# KiCad board rgbwstrip120_250_panel.kicad_pcb (continued)
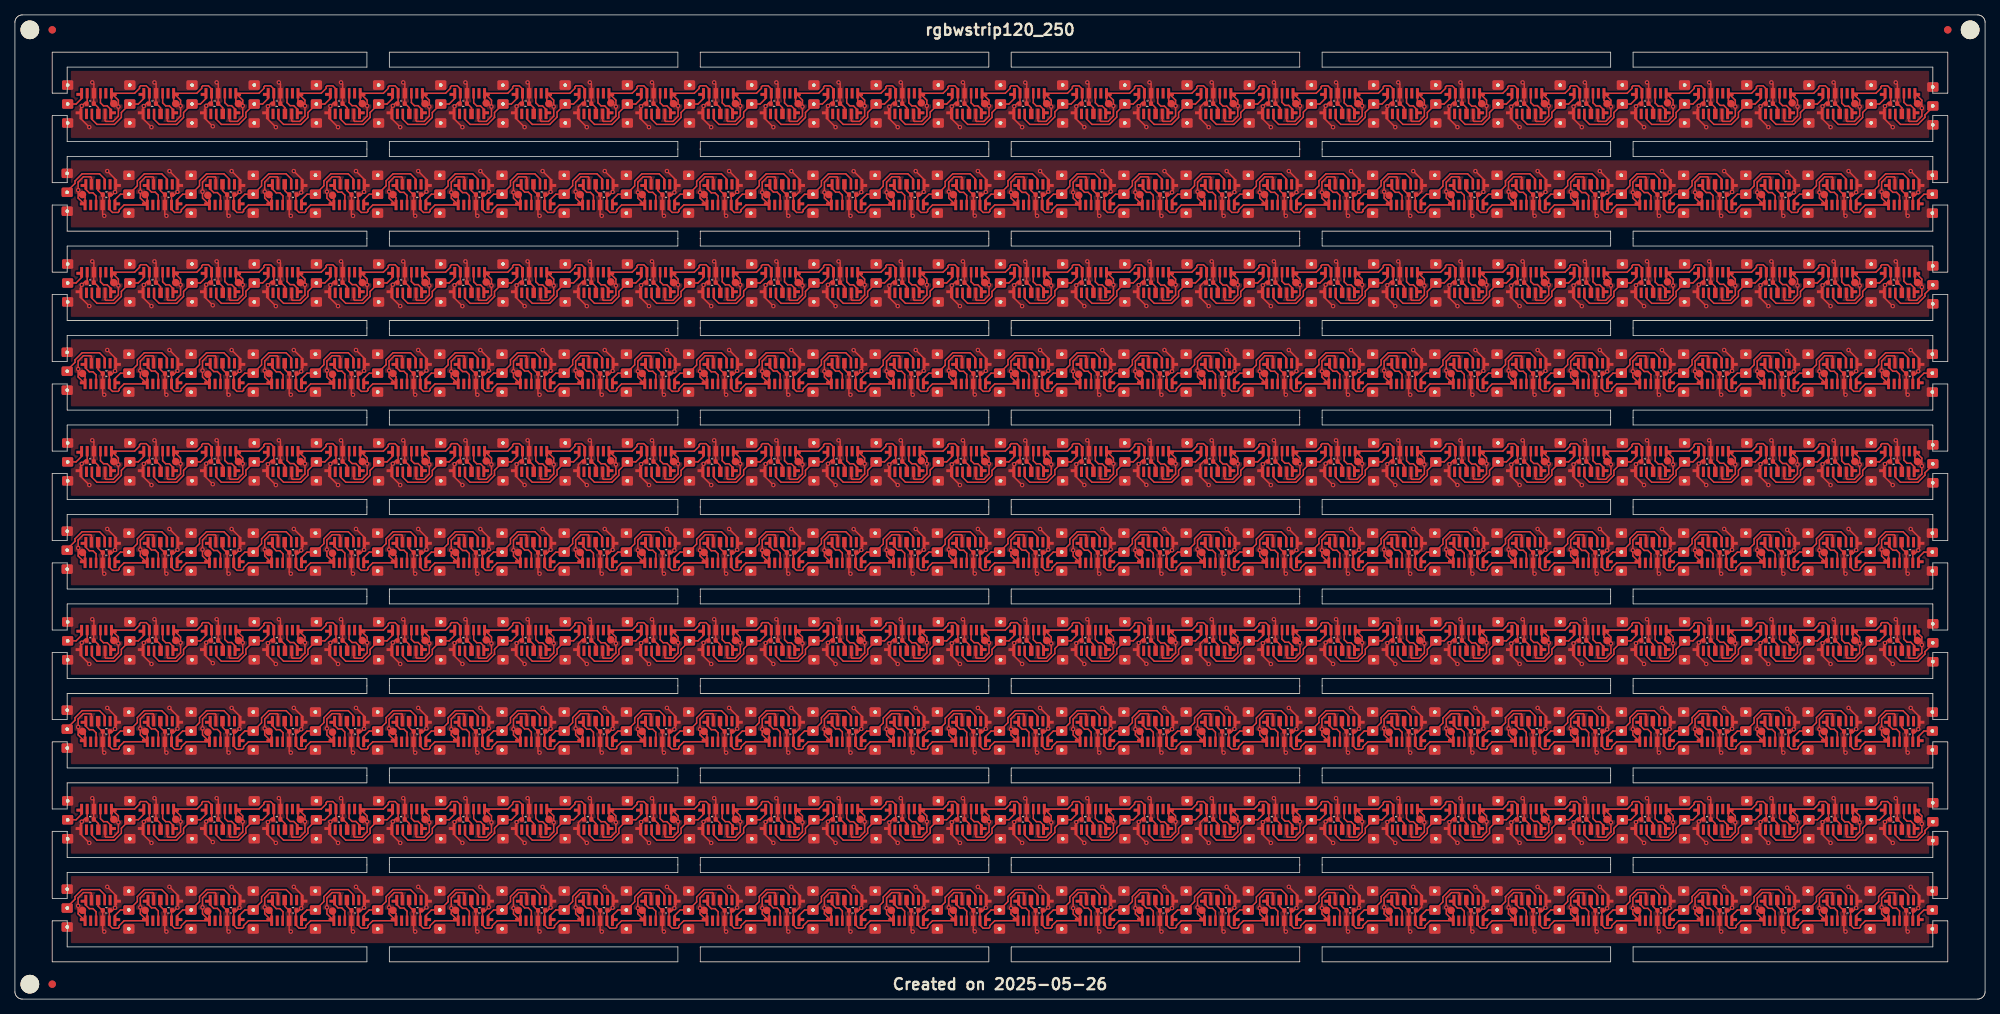
[diagram p0: board, top side]
## Routing (per net, layer and track width the routed paths; a pad name or vN(x,y) marks a point on that pad's centre or on a via; arc(x,y) is an arc through that point) (continued)
Board_0-Net-(J14-Pin_2): length 10.4
  Top w0.2: U28#4.6 117.27,120.79 116.53,120.05 115.5,120.05 ; 110.31,118.72 110.31,118 110.99,117.32 113.33,117.32 113.33,117.32 114.26,118.25 114.26,118.91 J14#5.2
Board_0-Net-(J15-Pin_2): length 10.4
  Top w0.2: J15#6.2 122.65,118.97 122.65,118.3 121.66,117.32 119.33,117.32 118.65,118 118.65,118.72 ; U30#3.6 125.6,120.79 124.86,120.05 123.83,120.05
Board_0-Net-(J16-Pin_2): length 10.4
  Top w0.2: 126.98,118.72 126.98,118 127.66,117.32 130,117.32 130.93,118.25 130.93,118.91 J16#5.2 ; U32#5.6 133.93,120.79 133.19,120.05 132.16,120.05
Board_0-Net-(J17-Pin_2): length 10.4
  Top w0.2: 135.31,118.72 135.31,118 135.99,117.32 138.33,117.32 139.35,118.33 139.35,119 J17#5.2 ; U34#5.6 142.27,120.79 141.53,120.05 140.5,120.05
Board_0-Net-(J18-Pin_2): length 10.4
  Top w0.2: 143.65,118.72 143.65,118 144.33,117.32 146.66,117.32 147.65,118.3 147.65,118.97 J18#10.2 ; 148.83,120.05 149.86,120.05 150.6,120.79 U36.6
Board_0-Net-(J19-Pin_2): length 10.4
  Top w0.2: J19.2 155.93,118.91 155.93,118.25 155,117.32 152.66,117.32 151.98,118 151.98,118.72 ; 157.16,120.05 158.19,120.05 158.93,120.79 U38#4.6
Board_0-Net-(J20-Pin_2): length 10.4
  Top w0.2: 165.5,120.05 166.53,120.05 167.27,120.79 U40#7.6 ; 160.31,118.72 160.31,118 160.99,117.32 163.33,117.32 164.26,118.25 164.26,118.91 J20#5.2
Board_0-Net-(J21-Pin_2): length 10.4
  Top w0.2: 173.83,120.05 174.86,120.05 175.6,120.79 U42#6.6 ; J21#5.2 172.65,118.97 172.65,118.3 171.66,117.32 169.33,117.32 168.65,118 168.65,118.72
Board_0-Net-(J22-Pin_2): length 10.4
  Top w0.2: 182.16,120.05 183.19,120.05 183.93,120.79 U44#9.6 ; J22#9.2 180.95,118.93 180.95,118.27 180,117.32 177.66,117.32 176.98,118 176.98,118.72
Board_0-Net-(J23-Pin_2): length 10.4
  Top w0.2: U46.6 192.27,120.79 191.53,120.05 190.5,120.05 ; 185.31,118.72 185.31,118 185.99,117.32 188.33,117.32 189.26,118.25 189.26,118.91 J23#9.2
Board_0-Net-(J24-Pin_2): length 10.4
  Top w0.2: 193.65,118.72 193.65,118 194.33,117.32 196.66,117.32 197.6,118.25 197.6,118.91 J24#2.2 ; 198.83,120.05 199.86,120.05 200.6,120.79 U48#10.6
Board_0-Net-(J25-Pin_2): length 10.4
  Top w0.2: 201.98,118.72 201.98,118 202.66,117.32 205,117.32 205.95,118.27 205.95,118.93 J25#5.2 ; U50.6 208.93,120.79 208.19,120.05 207.16,120.05
Board_0-Net-(J26-Pin_2): length 10.4
  Top w0.2: 210.31,118.72 210.31,118 210.99,117.32 213.33,117.32 214.26,118.25 214.26,118.91 J26#8.2 ; 215.5,120.05 216.53,120.05 217.27,120.79 U52#7.6
Board_0-Net-(J27-Pin_2): length 10.4
  Top w0.2: J27#10.2 222.6,118.91 222.6,118.25 221.66,117.32 219.33,117.32 218.65,118 218.65,118.72 ; 223.83,120.05 224.86,120.05 225.6,120.79 U54#4.6
Board_0-Net-(J28-Pin_2): length 10.4
  Top w0.2: 232.16,120.05 233.19,120.05 233.93,120.79 U56#4.6 ; 226.98,118.72 226.98,118 227.66,117.32 230,117.32 230.95,118.27 230.95,118.93 J28#8.2
Board_0-Net-(J29-Pin_2): length 10.4
  Top w0.2: U58#7.6 242.27,120.79 241.53,120.05 240.5,120.05 ; 235.31,118.72 235.31,118 235.99,117.32 238.33,117.32 239.26,118.25 239.26,118.91 J29#4.2
Board_0-Net-(J30-Pin_2): length 10.4
  Top w0.2: U60#8.6 250.6,120.79 249.86,120.05 248.83,120.05 ; 243.65,118.72 243.65,118 244.33,117.32 246.66,117.32 247.6,118.25 247.6,118.91 J30#6.2
Board_0-Net-(J31-Pin_2): length 7.2
  Top w0.2: 256.6,119.79 256.6,119.25 255.95,118.6 255.95,118.27 255,117.32 252.66,117.32 251.98,118 251.98,118.72
Board_0-Net-(U1-DIN): length 3.5
  Top w0.2: 11.46,120.92 11.46,120.21 11.87,119.8 12.37,119.8 12.83,119.33 12.83,118.27
Board_0-Net-(U3-DIN): length 3.5
  Top w0.2: 19.79,120.92 19.79,120.21 20.2,119.8 20.7,119.8 21.17,119.33 21.17,118.27
Board_0-Net-(U5-DIN): length 3.5
  Top w0.2: 29.5,118.3 29.5,119.36 29.03,119.83 28.53,119.83 28.12,120.24 28.12,120.95
Board_0-Net-(U7-DIN): length 3.5
  Top w0.2: 36.46,120.95 36.46,120.24 36.87,119.83 37.37,119.83 37.83,119.36 37.83,118.3
Board_0-Net-(U10-DOUT): length 3.5
  Top w0.2: 44.77,120.95 44.77,120.24 45.18,119.83 45.68,119.83 46.15,119.36 46.15,118.3
Board_0-Net-(U11-DIN): length 3.5
  Top w0.2: 53.12,120.95 53.12,120.24 53.53,119.83 54.03,119.83 54.5,119.36 54.5,118.3
Board_0-Net-(U13-DIN): length 3.5
  Top w0.2: 61.47,120.92 61.47,120.21 61.88,119.8 62.38,119.8 62.85,119.33 62.85,118.27
Board_0-Net-(U15-DIN): length 3.5
  Top w0.2: 71.17,118.27 71.17,119.33 70.7,119.8 70.2,119.8 69.79,120.21 69.79,120.92
Board_0-Net-(U17-DIN): length 3.5
  Top w0.2: 78.12,120.92 78.12,120.21 78.53,119.8 79.03,119.8 79.5,119.33 79.5,118.27
Board_0-Net-(U19-DIN): length 3.5
  Top w0.2: 86.46,120.92 86.46,120.21 86.87,119.8 87.37,119.8 87.83,119.33 87.83,118.27
Board_0-Net-(U21-DIN): length 3.5
  Top w0.2: 94.78,120.92 94.78,120.21 95.18,119.8 95.68,119.8 96.15,119.33 96.15,118.27
Board_0-Net-(U23-DIN): length 3.5
  Top w0.2: 104.5,118.27 104.5,119.33 104.03,119.8 103.53,119.8 103.12,120.21 103.12,120.92
Board_0-Net-(U25-DIN): length 3.5
  Top w0.2: 112.83,118.27 112.83,119.33 112.37,119.8 111.87,119.8 111.46,120.21 111.46,120.92
Board_0-Net-(U27-DIN): length 3.5
  Top w0.2: 121.15,118.27 121.15,119.33 120.68,119.8 120.18,119.8 119.78,120.21 119.78,120.92
Board_0-Net-(U29-DIN): length 3.5
  Top w0.2: 129.5,118.27 129.5,119.33 129.03,119.8 128.53,119.8 128.12,120.21 128.12,120.92
Board_0-Net-(U31-DIN): length 3.5
  Top w0.2: 137.83,118.27 137.83,119.33 137.37,119.8 136.87,119.8 136.46,120.21 136.46,120.92
Board_0-Net-(U33-DIN): length 3.5
  Top w0.2: 144.78,120.92 144.78,120.21 145.18,119.8 145.68,119.8 146.15,119.33 146.15,118.27
Board_0-Net-(U35-DIN): length 3.5
  Top w0.2: 153.12,120.89 153.12,120.18 153.53,119.77 154.03,119.77 154.5,119.3 154.5,118.24
Board_0-Net-(U37-DIN): length 3.5
  Top w0.2: 161.46,120.89 161.46,120.18 161.87,119.77 162.37,119.77 162.83,119.3 162.83,118.24
Board_0-Net-(U39-DIN): length 3.5
  Top w0.2: 169.78,120.99 169.78,120.28 170.18,119.87 170.68,119.87 171.15,119.4 171.15,118.34
Board_0-Net-(U41-DIN): length 3.5
  Top w0.2: 179.5,118.27 179.5,119.33 179.03,119.8 178.53,119.8 178.12,120.21 178.12,120.92
Board_0-Net-(U43-DIN): length 3.5
  Top w0.2: 186.47,120.92 186.47,120.21 186.88,119.8 187.38,119.8 187.85,119.33 187.85,118.27
Board_0-Net-(U45-DIN): length 3.5
  Top w0.2: 196.17,118.24 196.17,119.3 195.7,119.77 195.2,119.77 194.79,120.18 194.79,120.89
Board_0-Net-(U47-DIN): length 3.5
  Top w0.2: 203.11,120.96 203.11,120.24 203.52,119.83 204.02,119.83 204.48,119.37 204.48,118.31
Board_0-Net-(U49-DIN): length 3.5
  Top w0.2: 211.46,120.92 211.46,120.21 211.87,119.8 212.37,119.8 212.83,119.33 212.83,118.27
Board_0-Net-(U51-DIN): length 3.5
  Top w0.2: 219.79,120.89 219.79,120.18 220.2,119.77 220.7,119.77 221.17,119.3 221.17,118.24
Board_0-Net-(U53-DIN): length 3.5
  Top w0.2: 228.07,120.99 228.07,120.28 228.48,119.87 228.98,119.87 229.45,119.4 229.45,118.34
Board_0-Net-(U55-DIN): length 3.5
  Top w0.2: 236.46,120.96 236.46,120.24 236.87,119.83 237.37,119.83 237.83,119.37 237.83,118.31
Board_0-Net-(U57-DIN): length 3.5
  Top w0.2: 244.79,120.89 244.79,120.18 245.2,119.77 245.7,119.77 246.17,119.3 246.17,118.24
Board_0-Net-(U59-DIN): length 3.5
  Top w0.2: 253.12,120.99 253.12,120.28 253.53,119.87 254.03,119.87 254.5,119.4 254.5,118.34
Board_1-+3.3V: length 592.6
  Top w0.2: U54#8.1 31.29,106.51 30.64,105.85 30.64,105.65 30.49,105.5 29.74,105.5 29.32,105.93 U56.5 29.32,107.75 29.4,107.83 29.68,107.83 v1(30.1,108.25) 30.17,108.32 30.17,109.16 ; U54#8.1 34.4,107.55 K24#8.1 ; U54#8.1 33.47,107.44 v1(33.47,108.3) 33.47,109.58 34.17,110.28 35.14,110.28 35.25,110.18 U53#2.5 ; 242.45,106.79 U4#6.1 ; U4#6.1 241.8,107.44 v1(241.8,108.2) 241.8,109.58 242.51,110.28 243.48,110.28 243.58,110.18 U3#10.5 ; U4#6.1 239.63,106.51 238.97,105.85 238.97,105.65 238.82,105.5 238.07,105.5 237.65,105.93 U6#6.5 237.65,107.75 237.73,107.83 238.01,107.83 v1(238.36,108.19) 238.5,108.32 238.5,109.16 ; U4#6.1 242.73,107.62 K6#9.1 ; U30#9.1 134.4,107.55 K18#2.1 ; U30#9.1 133.47,107.44 v1(133.47,108.2) 133.47,109.58 134.17,110.28 135.14,110.28 135.25,110.18 U29#8.5 ; U30#9.1 131.29,106.51 130.64,105.85 130.64,105.65 130.49,105.5 129.74,105.5 129.32,105.93 U32.5 129.32,107.75 129.4,107.83 129.68,107.83 v1(130.1,108.25) 130.17,108.32 130.17,109.16 ; U42#4.1 83.47,107.44 v1(83.47,108.2) 83.47,109.58 84.17,110.28 85.14,110.28 85.25,110.18 U41#10.5 ; U42#4.1 81.29,106.51 80.64,105.85 80.64,105.65 80.49,105.5 79.74,105.5 79.32,105.93 U44#7.5 79.32,107.75 79.4,107.83 79.68,107.83 v1(80.1,108.25) 80.17,108.32 80.17,109.16 ; U42#4.1 84.4,107.55 K10#6.1 ; 155.17,109.16 155.17,108.32 v1(155.05,108.2) 154.68,107.83 154.4,107.83 154.32,107.75 U26#6.5 154.32,105.93 154.74,105.5 155.49,105.5 155.64,105.65 155.64,105.85 156.29,106.51 U24#5.1 ; 105.17,109.16 105.17,108.32 104.68,107.83 104.4,107.83 104.32,107.75 U38#9.5 104.32,105.93 104.74,105.5 105.49,105.5 105.64,105.65 105.64,105.85 106.29,106.51 U36#5.1 ; U5.1 238.5,109.92 v1(237.49,110.94) 237.37,111.05 ; v1(187.37,111.05) 188.5,109.92 U17#10.1 ; 88.5,109.16 88.5,108.32 v1(88.36,108.19) 88.01,107.83 87.73,107.83 87.65,107.75 U42#4.5 87.65,105.93 88.07,105.5 88.82,105.5 88.97,105.65 88.97,105.85 89.63,106.51 U40#3.1 ; U6#6.1 234.4,107.55 K26#5.1 ; U6#6.1 233.47,107.44 v1(233.47,108.2) 233.47,109.58 234.17,110.28 235.14,110.28 235.25,110.18 U5.5 ; U6#6.1 231.29,106.51 230.64,105.85 230.64,105.65 230.49,105.5 229.74,105.5 229.32,105.93 U8#8.5 229.32,107.75 229.4,107.83 229.68,107.83 v1(230.1,108.25) 230.17,108.32 230.17,109.16 ; U27#9.1 146.83,109.92 v1(145.7,111.05) ; 42.59,106.57 42.65,106.51 ; U35#10.1 113.5,109.92 v1(112.39,111.04) 112.37,111.05 ; U32.1 126.07,107.58 K8#6.1 ; U32.1 125.14,107.44 v1(125.14,108.3) 125.14,109.58 125.84,110.28 126.81,110.28 126.92,110.18 U31#3.5 ; U32.1 122.96,106.51 122.3,105.85 122.3,105.65 122.15,105.5 121.41,105.5 120.98,105.93 U34#2.5 120.98,107.75 121.06,107.83 121.34,107.83 v1(121.78,108.27) 121.83,108.32 121.83,109.16 ; K22#4.1 167.73,107.62 U22#10.1 ; U34#2.1 116.8,107.44 v1(116.8,108.2) 116.8,109.58 117.51,110.28 118.48,110.28 118.58,110.18 U33#9.5 ; U34#2.1 117.73,107.62 K4#7.1 ; U34#2.1 114.63,106.51 113.97,105.85 113.97,105.65 113.82,105.5 113.07,105.5 112.65,105.93 U36#5.5 112.65,107.75 112.73,107.83 113.01,107.83 v1(113.41,108.24) 113.5,108.32 113.5,109.16 ; v1(154.04,111.05) 155.17,109.92 U25#4.1 ; U7#10.1 230.17,109.92 v1(229.04,111.05) ; U52#2.1 42.73,107.62 K19#9.1 ; U52#2.1 39.63,106.51 38.97,105.85 38.97,105.65 38.82,105.5 38.07,105.5 37.65,105.93 U54#8.5 37.65,107.75 37.73,107.83 38.01,107.83 v1(38.36,108.19) 38.5,108.32 38.5,109.16 ; U52#2.1 41.8,107.44 v1(41.8,108.3) 41.8,109.58 42.51,110.28 43.48,110.28 43.58,110.18 U51#10.5 ; U16#8.1 189.63,106.51 188.97,105.85 188.97,105.65 188.82,105.5 188.07,105.5 187.65,105.93 U18#10.5 187.65,107.75 187.73,107.83 188.01,107.83 188.5,108.32 188.5,109.16 ; U16#8.1 191.8,107.44 v1(191.8,108.3) 191.8,109.58 192.51,110.28 193.48,110.28 193.58,110.18 U15#5.5 ; U16#8.1 192.73,107.62 K2#2.1 ; U59#7.1 13.5,109.92 v1(12.37,111.05) ; K17#8.1 159.4,107.55 U24#5.1 ; U35#10.5 110.25,110.18 110.14,110.28 109.17,110.28 108.47,109.58 v1(108.47,108.2) 108.47,107.44 U36#5.1 ; U8#8.1 226.07,107.58 K21#6.1 ; U8#8.1 225.14,107.44 v1(225.14,108.2) 225.14,109.58 225.84,110.28 226.81,110.28 226.92,110.18 U7#10.5 ; U8#8.1 225.75,106.83 ; U8#8.1 222.96,106.51 222.3,105.85 222.3,105.65 222.15,105.5 221.41,105.5 220.98,105.93 U10#9.5 220.98,107.75 221.06,107.83 221.34,107.83 v1(221.73,108.22) 221.83,108.32 221.83,109.16 ; U33#9.1 121.83,109.92 v1(120.7,111.05) ; U14#3.1 201.07,107.62 K27#2.1 200.62,107.83 v1(200.15,108.3) ; U14#3.1 200.14,107.44 v1(200.15,108.3) ; U14#3.1 197.96,106.51 197.3,105.85 197.3,105.65 197.15,105.5 196.41,105.5 195.98,105.93 U16#8.5 195.98,107.75 196.06,107.83 196.34,107.83 v1(196.78,108.27) 196.83,108.32 196.83,109.16 ; U12#5.1 209.4,107.55 K11#7.1 ; U12#5.1 206.29,106.51 205.64,105.85 205.64,105.65 205.49,105.5 204.74,105.5 204.32,105.93 U14#3.5 204.32,107.75 204.4,107.83 204.68,107.83 v1(205.1,108.25) 205.17,108.32 205.17,109.16 ; U12#5.1 208.47,107.44 v1(208.47,108.3) 208.47,109.58 209.17,110.28 210.14,110.28 210.25,110.18 U11#8.5 ; v1(195.7,111.05) 196.83,109.92 U15#5.1 ; 254.32,105.93 U2#2.5 254.32,107.75 254.4,107.83 254.68,107.83 v1(255.05,108.2) 255.17,108.32 255.17,109.16 ; U24#5.1 158.47,107.44 v1(158.47,108.3) 158.47,109.58 159.17,110.28 160.14,110.28 160.25,110.18 U23#10.5 ; U18#10.1 181.29,106.51 180.64,105.85 180.64,105.65 180.49,105.5 179.74,105.5 179.32,105.93 U20#5.5 179.32,107.75 179.4,107.83 179.68,107.83 v1(180.1,108.25) 180.17,108.32 180.17,109.16 ; U18#10.1 184.4,107.55 K7#3.1 183.97,107.8 v1(183.47,108.3) ; U18#10.1 183.47,107.44 v1(183.47,108.3) ; 67.59,106.57 67.65,106.51 ; K12#7.1 176.07,107.58 U20#5.1 ; U26#6.1 151.07,107.58 K3#9.1 ; U26#6.1 150.14,107.44 v1(150.14,108.2) 150.14,109.58 150.84,110.28 151.81,110.28 151.92,110.18 U25#4.5 ; U26#6.1 147.96,106.51 147.3,105.85 147.3,105.65 147.15,105.5 146.41,105.5 145.98,105.93 U28#3.5 145.98,107.75 146.06,107.83 146.34,107.83 v1(146.83,108.32) 146.83,108.32 146.83,109.16 ; U17#10.5 185.25,110.18 185.14,110.28 184.17,110.28 183.47,109.58 v1(183.47,108.3) ; U57#4.1 21.83,109.92 v1(20.7,111.05) ; U47.1 63.5,109.92 v1(62.37,111.05) ; U36#5.1 109.4,107.55 K30#7.1 ; U2#2.1 247.96,106.51 247.3,105.85 247.3,105.65 247.15,105.5 246.41,105.5 245.98,105.93 U4#6.5 245.98,107.75 246.06,107.83 246.34,107.83 v1(246.73,108.22) 246.83,108.32 246.83,109.16 ; U2#2.1 250.75,106.82 ; U2#2.1 251.07,107.58 K1#4.1 ; U2#2.1 250.14,107.44 v1(250.14,108.3) 250.14,109.58 250.84,110.28 251.81,110.28 251.92,110.18 U1#6.5 ; U38#9.1 100.14,107.44 v1(100.14,108.2) 100.14,109.58 100.84,110.28 101.81,110.28 101.92,110.18 U37#5.5 ; U38#9.1 97.96,106.51 97.3,105.85 97.3,105.65 97.15,105.5 96.41,105.5 95.98,105.93 U40#3.5 95.98,107.75 96.06,107.83 96.34,107.83 v1(96.78,108.27) 96.83,108.32 96.83,109.16 ; U38#9.1 101.07,107.58 K5#6.1 ; 71.83,109.16 71.83,108.32 v1(71.78,108.27) 71.34,107.83 71.06,107.83 70.98,107.75 U46#5.5 70.98,105.93 71.41,105.5 72.15,105.5 72.3,105.65 72.3,105.85 72.96,106.51 U44#7.1 ; U48#6.1 59.4,107.55 K28.1 ; U48#6.1 58.47,107.44 v1(58.47,108.2) 58.47,109.58 59.17,110.28 60.14,110.28 60.25,110.18 U47.5 ; U48#6.1 56.29,106.51 55.64,105.85 55.64,105.65 55.49,105.5 54.74,105.5 54.32,105.93 U50#3.5 54.32,107.75 54.4,107.83 54.68,107.83 v1(55.15,108.3) 55.17,108.32 55.17,109.16 ; 192.59,106.57 192.65,106.51 ; U44#7.1 75.14,107.44 v1(75.14,108.3) 75.14,109.58 75.84,110.28 76.81,110.28 76.92,110.18 U43#9.5 ; U44#7.1 76.07,107.58 K14#2.1 ; v1(162.37,111.05) 163.5,109.92 U23#10.1 ; v1(87.37,111.05) 88.5,109.92 U41#10.1 ; U58#4.1 16.8,107.44 v1(16.8,108.3) 16.8,109.58 17.51,110.28 18.48,110.28 18.58,110.18 U57#4.5 ; U58#4.1 17.73,107.62 K25#6.1 ; U58#4.1 14.63,106.51 13.97,105.85 13.97,105.65 13.82,105.5 13.07,105.5 12.65,105.93 U60#5.5 12.65,107.75 12.73,107.83 13.01,107.83 v1(13.41,108.24) 13.5,108.32 13.5,109.16 ; U11#8.1 213.5,109.92 v1(212.37,111.05) ; 117.59,106.57 117.65,106.51 ; U20#5.1 175.14,107.44 v1(175.14,108.2) 175.14,109.58 175.84,110.28 176.81,110.28 176.92,110.18 U19#4.5 ; U20#5.1 172.96,106.51 172.3,105.85 172.3,105.65 172.15,105.5 171.41,105.5 170.98,105.93 U22#10.5 170.98,107.75 171.06,107.83 171.34,107.83 v1(171.73,108.22) 171.83,108.32 171.83,109.16 ; U13#2.5 201.92,110.18 201.81,110.28 200.84,110.28 200.14,109.58 v1(200.15,108.3) ; v1(29.04,111.05) 30.17,109.92 U55#5.1 ; U9#10.5 218.58,110.18 218.48,110.28 217.51,110.28 216.8,109.58 v1(216.8,108.2) 216.8,107.44 U10#9.1 ; 75.92,106.57 75.98,106.51 ; U22#10.1 164.63,106.51 163.97,105.85 163.97,105.65 163.82,105.5 163.07,105.5 162.65,105.93 U24#5.5 162.65,107.75 162.73,107.83 163.01,107.83 v1(163.41,108.24) 163.5,108.32 163.5,109.16 ; U22#10.1 166.8,107.44 v1(166.8,108.2) 166.8,109.58 167.51,110.28 168.48,110.28 168.58,110.18 U21#7.5 ; 167.59,106.57 167.65,106.51 ; v1(54.04,111.05) 55.17,109.92 U49#2.1 ; 250.92,106.57 250.98,106.51 ; v1(79.04,111.05) 80.17,109.92 U43#9.1 ; 100.92,106.57 100.98,106.51 ; v1(204.04,111.05) 205.17,109.92 U13#2.1 ; U21#7.1 171.83,109.92 v1(170.7,111.05) ; 125.92,106.57 125.98,106.51 ; 9.26,106.57 9.32,106.51 ; U40#3.1 91.8,107.44 v1(91.8,108.2) 91.8,109.58 92.51,110.28 93.48,110.28 93.58,110.18 U39#8.5 ; U40#3.1 92.73,107.52 K9#3.1 ; K23#7.1 67.73,107.62 U46#5.1 ; U50#3.1 50.14,107.44 v1(50.14,108.3) 50.14,109.58 50.84,110.28 51.81,110.28 51.92,110.18 U49#2.5 ; U50#3.1 51.07,107.48 K15#4.1 ; U50#3.1 47.96,106.51 47.3,105.85 47.3,105.65 47.15,105.5 46.41,105.5 45.98,105.93 U52#2.5 45.98,107.75 46.06,107.83 46.34,107.83 v1(46.78,108.27) 46.83,108.32 46.83,109.16 ; 109.26,106.57 109.32,106.51 ; 200.92,106.57 200.98,106.51 ; 184.26,106.57 184.32,106.51 ; U46#5.1 66.8,107.44 v1(66.8,108.2) 66.8,109.58 67.51,110.28 68.48,110.28 68.58,110.18 U45#8.5 ; U46#5.1 64.63,106.51 63.97,105.85 63.97,105.65 63.82,105.5 63.07,105.5 62.65,105.93 U48#6.5 62.65,107.75 62.73,107.83 63.01,107.83 v1(63.5,108.32) 63.5,109.16 ; 34.26,106.57 34.32,106.51 ; U59#7.5 10.25,110.18 10.14,110.28 9.17,110.28 8.47,109.58 v1(8.47,108.5) 8.47,107.44 U60#5.1 9.4,107.55 K29#2.1 ; U29#8.1 138.5,109.92 v1(137.37,111.05) ; U10#9.1 214.63,106.51 213.97,105.85 213.97,105.65 213.82,105.5 213.07,105.5 212.65,105.93 U12#5.5 212.65,107.75 212.73,107.83 213.01,107.83 v1(213.36,108.19) 213.5,108.32 213.5,109.16 ; U10#9.1 217.73,107.62 K16#4.1 ; U9#10.1 221.83,109.92 v1(220.7,111.05) ; U39#8.1 96.83,109.92 v1(95.7,111.05) ; U55#5.5 26.92,110.18 26.81,110.28 25.84,110.28 25.14,109.58 v1(25.14,108.3) 25.14,107.44 U56.1 ; v1(45.7,111.05) 46.83,109.92 U51#10.1 ; 84.26,106.57 84.32,106.51 ; 159.26,106.57 159.32,106.51 ; v1(245.7,111.05) 246.83,109.92 U3#10.1 ; 50.92,106.57 50.98,106.51 ; 142.59,106.57 142.65,106.51 ; U31#3.1 130.17,109.92 v1(129.04,111.05) ; U56.1 22.96,106.51 22.3,105.85 22.3,105.65 22.15,105.5 21.41,105.5 20.98,105.93 U58#4.5 20.98,107.75 21.06,107.83 21.34,107.83 v1(21.78,108.27) 21.83,108.32 21.83,109.16 ; U56.1 26.07,107.58 K20#6.1 ; U28#3.1 139.63,106.51 138.97,105.85 138.97,105.65 138.82,105.5 138.07,105.5 137.65,105.93 U30#9.5 137.65,107.75 137.73,107.83 138.01,107.83 v1(138.46,108.29) 138.5,108.32 138.5,109.16 ; U28#3.1 142.73,107.62 K13#5.1 ; U28#3.1 141.8,107.44 v1(141.8,108.2) 141.8,109.58 142.51,110.28 143.48,110.28 143.58,110.18 U27#9.5 ; 217.59,106.57 217.65,106.51 ; 234.26,106.57 234.32,106.51 ; v1(179.04,111.05) 180.17,109.92 U19#4.1 ; 59.26,106.57 59.32,106.51 ; U1#6.1 255.17,109.92 v1(254.04,111.05) ; v1(104.04,111.05) 105.17,109.92 U37#5.1 ; 242.59,106.57 242.65,106.51 ; 92.59,106.57 92.65,106.51 ; 25.92,106.57 25.98,106.51 ; 134.26,106.57 134.32,106.51 ; 175.92,106.57 175.98,106.51 ; U45#8.1 71.83,109.92 v1(70.7,111.05) ; 225.92,106.57 225.98,106.51 ; v1(37.37,111.05) 38.5,109.92 U53#2.1 ; 17.59,106.57 17.65,106.51 ; 150.92,106.57 150.98,106.51 ; 209.26,106.57 209.32,106.51
Board_1-GND: length 133.9
  Top w0.2: 69.48,109.16 69.48,108.45 70.1,107.83 70.1,106.53 U46#5.4 70.08,105.27 v1(70.3,105.05) ; v1(53.64,105.05) 53.42,105.27 U50#3.4 53.44,106.53 53.44,107.83 52.82,108.45 52.82,109.16 ; v1(120.3,105.05) 120.08,105.27 U34#2.4 120.1,106.53 120.1,107.83 119.48,108.45 119.48,109.16 ; v1(220.3,105.05) 220.08,105.27 U10#9.4 220.1,106.53 220.1,107.83 219.48,108.45 219.48,109.16 ; v1(136.97,105.05) 136.75,105.27 U30#9.4 136.77,106.53 136.77,107.83 136.15,108.45 136.15,109.16 ; 236.15,109.16 236.15,108.45 236.77,107.83 236.77,106.53 U6#6.4 236.75,105.27 v1(236.97,105.05) ; v1(211.97,105.05) 211.75,105.27 U12#5.4 211.77,106.53 211.77,107.83 211.15,108.45 211.15,109.16 ; v1(61.97,105.05) 61.75,105.27 U48#6.4 61.77,106.53 61.77,107.83 61.15,108.45 61.15,109.16 ; 169.48,109.16 169.48,108.45 170.1,107.83 170.1,106.53 U22#10.4 170.08,105.27 v1(170.3,105.05) ; v1(28.64,105.05) 28.42,105.27 U56.4 28.44,106.53 28.44,107.83 27.82,108.45 27.82,109.16 ; 102.82,109.16 102.82,108.45 103.44,107.83 103.44,106.53 U38#9.4 103.42,105.27 v1(103.64,105.05) ; 252.82,109.16 252.82,108.45 253.44,107.83 253.44,106.53 U2#2.4 253.42,105.27 v1(253.64,105.05) ; 127.82,109.16 127.82,108.45 128.44,107.83 128.44,106.53 U32.4 128.42,105.27 v1(128.62,105.07) 128.64,105.05 ; 94.48,109.16 94.48,108.45 95.1,107.83 95.1,106.53 U40#3.4 95.08,105.27 v1(95.3,105.05) ; 11.15,109.16 11.15,108.45 11.77,107.83 11.77,106.53 U60#5.4 11.75,105.27 v1(11.97,105.05) ; 20.3,105.05 v1(20.3,105.05) 20.08,105.27 U58#4.4 20.1,106.53 20.1,107.83 19.48,108.45 19.48,109.16 ; v1(153.64,105.05) 153.42,105.27 U26#6.4 153.44,106.53 153.44,107.83 152.82,108.45 152.82,109.16 ; v1(45.3,105.05) 45.08,105.27 U52#2.4 45.1,106.53 45.1,107.83 44.48,108.45 44.48,109.16 ; v1(203.64,105.05) 203.42,105.27 U14#3.4 203.44,106.53 203.44,107.83 202.82,108.45 202.82,109.16 ; v1(145.3,105.05) 145.08,105.27 U28#3.4 145.1,106.53 145.1,107.83 144.48,108.45 144.48,109.16 ; v1(161.97,105.05) 161.75,105.27 U24#5.4 161.77,106.53 161.77,107.83 161.15,108.45 161.15,109.16 ; 86.15,109.16 86.15,108.45 86.77,107.83 86.77,106.53 U42#4.4 86.75,105.27 v1(86.97,105.05) ; v1(36.97,105.05) 36.75,105.27 U54#8.4 36.77,106.53 36.77,107.83 36.15,108.45 36.15,109.16 ; 186.15,109.16 186.15,108.45 186.77,107.83 186.77,106.53 U18#10.4 186.75,105.27 v1(186.97,105.05) ; 227.82,109.16 227.82,108.45 228.44,107.83 228.44,106.53 U8#8.4 228.42,105.27 v1(228.64,105.05) ; v1(178.64,105.05) 178.42,105.27 U20#5.4 178.44,106.53 178.44,107.83 177.82,108.45 177.82,109.16 ; 77.82,109.16 77.82,108.45 78.44,107.83 78.44,106.53 U44#7.4 78.42,105.27 v1(78.64,105.05) ; 194.48,109.16 194.48,108.45 195.1,107.83 195.1,106.53 U16#8.4 195.08,105.27 v1(195.3,105.05) ; v1(111.97,105.05) 111.75,105.27 U36#5.4 111.77,106.53 111.77,107.83 111.15,108.45 111.15,109.16 ; 244.48,109.16 244.48,108.45 245.1,107.83 245.1,106.53 U4#6.4 245.08,105.27 v1(245.3,105.05)
Board_1-Net-(J1-Pin_2): length 2.8
  Top w0.2: U2#2.6 255.07,107.21 255.81,107.95 256.84,107.95
Board_1-Net-(J2-Pin_2): length 10.4
  Top w0.2: J2#9.2 249.74,109.09 249.74,109.75 250.67,110.68 253.01,110.68 253.69,110 253.69,109.28 ; U4#6.6 246.73,107.21 247.47,107.95 248.5,107.95
Board_1-Net-(J3-Pin_2): length 10.4
  Top w0.2: 245.35,109.28 245.35,110 244.67,110.68 242.34,110.68 241.4,109.75 241.4,109.09 J3#6.2 ; U6#6.6 238.4,107.21 239.14,107.95 240.17,107.95
Board_1-Net-(J4-Pin_2): length 10.4
  Top w0.2: U8#8.6 230.07,107.21 230.81,107.95 231.84,107.95 ; J4.2 233.05,109.07 233.05,109.73 234,110.68 236.34,110.68 237.02,110 237.02,109.28
Board_1-Net-(J5-Pin_2): length 10.4
  Top w0.2: 223.5,107.95 222.47,107.95 221.73,107.21 U10#9.6 ; 228.69,109.28 228.69,110 228.01,110.68 225.67,110.68 224.74,109.75 224.74,109.09 J5#7.2
Board_1-Net-(J6-Pin_2): length 10.4
  Top w0.2: 220.35,109.28 220.35,110 219.67,110.68 217.34,110.68 216.4,109.75 216.4,109.09 J6#8.2 ; 215.17,107.95 214.14,107.95 213.4,107.21 U12#5.6
Board_1-Net-(J7-Pin_2): length 10.4
  Top w0.2: J7#8.2 208.07,109.09 208.07,109.75 209,110.68 211.34,110.68 212.02,110 212.02,109.28 ; 206.84,107.95 205.81,107.95 205.07,107.21 U14#3.6
Board_1-Net-(J8-Pin_2): length 10.4
  Top w0.2: J8#10.2 199.74,109.09 199.74,109.58 199.73,109.74 199.74,109.74 199.74,109.75 200.67,110.68 203.01,110.68 203.69,110 203.69,109.28 ; 198.5,107.95 197.47,107.95 196.73,107.21 U16#8.6
Board_1-Net-(J9-Pin_2): length 10.4
  Top w0.2: J9#2.2 191.35,109.03 191.35,109.7 192.34,110.68 194.67,110.68 195.35,110 195.35,109.28 ; 190.17,107.95 189.14,107.95 188.4,107.21 U18#10.6
Board_1-Net-(J10-Pin_2): length 10.4
  Top w0.2: U20#5.6 180.07,107.21 180.81,107.95 181.84,107.95 ; 187.02,109.28 187.02,110 186.34,110.68 184,110.68 183.07,109.75 183.07,109.09 J10#8.2
Board_1-Net-(J11-Pin_2): length 10.4
  Top w0.2: J11#7.2 174.74,109.09 174.74,109.75 175.67,110.68 178.01,110.68 178.69,110 178.69,109.28 ; 173.5,107.95 172.47,107.95 171.73,107.21 U22#10.6
Board_1-Net-(J12-Pin_2): length 10.4
  Top w0.2: J12.2 166.35,109.03 166.35,109.7 167.34,110.68 169.67,110.68 170.35,110 170.35,109.28 ; 165.17,107.95 164.14,107.95 163.4,107.21 U24#5.6
Board_1-Net-(J13-Pin_2): length 10.4
  Top w0.2: J13#10.2 158.07,109.09 158.07,109.75 159,110.68 161.34,110.68 162.02,110 162.02,109.28 ; 156.84,107.95 155.81,107.95 155.07,107.21 U26#6.6
Board_1-Net-(J14-Pin_2): length 10.4
  Top w0.2: 148.5,107.95 147.47,107.95 146.73,107.21 U28#3.6 ; 153.69,109.28 153.69,110 153.01,110.68 150.67,110.68 150.67,110.68 149.74,109.75 149.74,109.09 J14#10.2
Board_1-Net-(J15-Pin_2): length 10.4
  Top w0.2: 140.17,107.95 139.14,107.95 138.4,107.21 U30#9.6 ; J15#2.2 141.35,109.03 141.35,109.7 142.34,110.68 144.67,110.68 145.35,110 145.35,109.28
Board_1-Net-(J16-Pin_2): length 10.4
  Top w0.2: J16#10.2 133.07,109.09 133.07,109.75 134,110.68 136.34,110.68 137.02,110 137.02,109.28 ; 131.84,107.95 130.81,107.95 130.07,107.21 U32.6
Board_1-Net-(J17-Pin_2): length 10.4
  Top w0.2: 128.69,109.28 128.69,110 128.01,110.68 125.67,110.68 124.65,109.67 124.65,109 J17.2 ; U34#2.6 121.73,107.21 122.47,107.95 123.5,107.95
Board_1-Net-(J18-Pin_2): length 10.4
  Top w0.2: 115.17,107.95 114.14,107.95 113.4,107.21 U36#5.6 ; 120.35,109.28 120.35,110 119.67,110.68 117.34,110.68 116.35,109.7 116.35,109.03 J18#7.2
